# Allegro board 20173009_BALENA-FIN_V10.brd (continued)
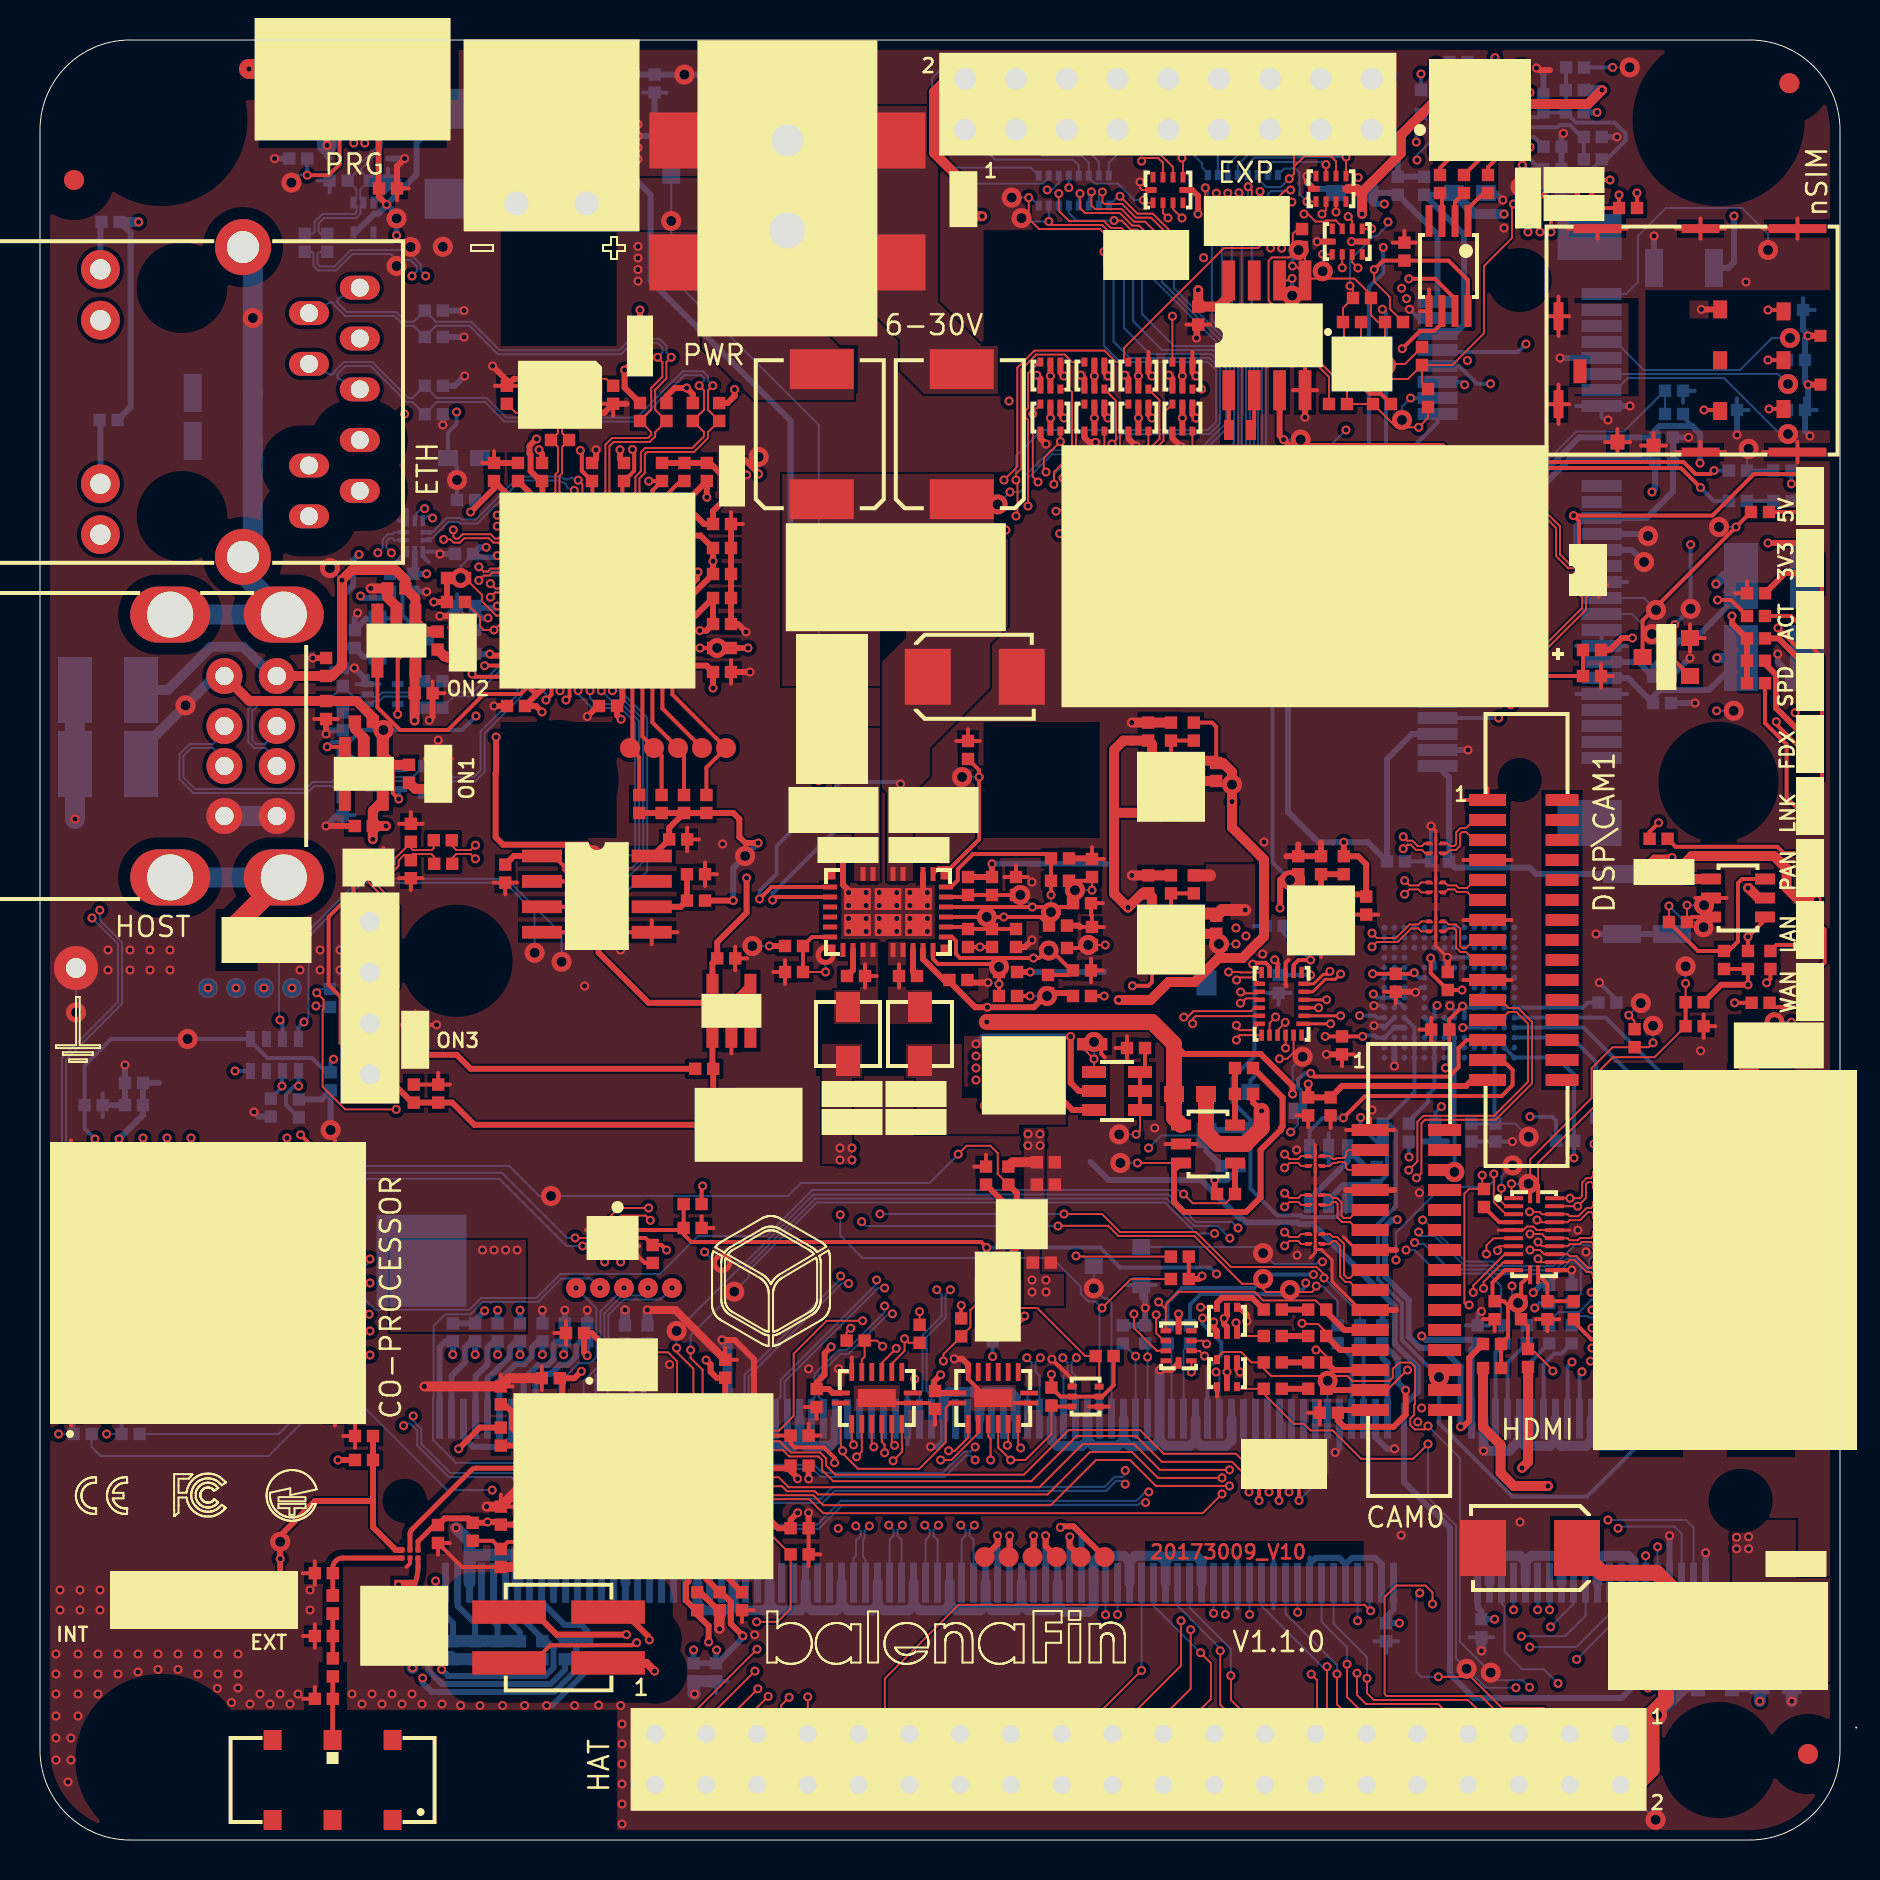
[diagram p0: board, top side]
## Routing (per net, layer and track width the routed paths; a pad name or vN(x,y) marks a point on that pad's centre or on a via; arc(x,y) is an arc through that point) (continued)
MCU-GPIO4_EXT: length 14.3
  TOP w0.1: v1(63.2,81.3) 63.4,81.3 63.78,80.93 64.26,80.93 64.31,80.97 64.8,80.97 65.11,80.66 TVS7.3
  INT2 w0.1: v1(63.2,81.3) 62.66,81.3 61.5,82.46 61.5,83.1 60.4,84.2 57.74,84.2 J14.9
  BOTTOM w0.1: J14.9 58.11,83.83 58.11,83.62 58.39,83.34 RR2.9
MCU-GPIO5: length 119.3
  TOP w0.1: v1(51.15,68.1) 51.15,68.55 51.8,69.2 51.8,71.6 52,71.8 52.22,71.8 ; RR3.2 v1(59.09,81.08)
  TOP w0.2: MOD2.11 13.55,23.63 v1(13.38,23.8)
  INT2 w0.1: v1(13.38,23.8) 13.38,15.53 14.01,14.9 22.74,14.9 25.25,17.41 25.25,20.61 27.54,22.9 35.64,22.9 36.1,23.36 36.1,32.1 37.1,33.1 37.1,53.63 49.83,66.36 49.83,66.9 50.33,67.41 50.85,67.41 51.07,67.63 51.07,67.64 51.14,67.72 51.14,68.1 v1(51.15,68.1)
  BOTTOM w0.1: v2(13.38,22.9) v1(13.38,23.8) ; v1(51.15,68.1) 51.55,67.7 52,67.7 52.33,68.03 52.87,68.03 53.95,66.95 58.21,66.95 60.7,69.44 60.7,74.15 59.09,75.76 v1(59.09,81.08)
MCU-GPIO5_EXT: length 14.9
  TOP w0.1: TVS7.8 65.61,78.89 v1(65.9,78.6)
  INT1 w0.1: J14.11 59.28,85.52 61.6,83.2 61.6,80.6 64.1,78.1 65.4,78.1 v1(65.9,78.6)
  BOTTOM w0.1: RR2.10 58.89,84.22 58.96,84.29 J14.11
MCU-GPIO6: length 131.8
  TOP w0.1: MOD2.27 v1(6.35,35.1) ; DS10.3 v1(51.02,69.92) 50.19,69.09 50.19,68.51 v1(50.3,68.4) ; RR3.3 v1(59.59,80.8)
  INT1 w0.1: v1(50.3,68.4) 50.3,66.41 50.64,66.06 52.76,66.06 53.65,66.95 54.86,66.95 55.23,66.58 v1(55.8,66.58)
  INT2 w0.1: v1(6.35,35.1) 5.95,35.1 5.85,35.2 5.85,40.03 5.11,40.77 5.11,45.84 1.13,49.82 1.13,71.15 4.08,74.1 8.61,74.1 15.31,80.8 19.39,80.8 22.33,77.86 22.33,75.05 22.93,74.45 28.93,74.45 29.98,75.5 36.53,75.5 37.98,74.05 47.27,74.05 49.2,72.12 49.2,71.21 49.68,70.72 50.22,70.72 v1(51.02,69.92)
  BOTTOM w0.1: v1(6.35,35.1) v2(6.35,34.25) ; v1(55.8,66.58) 58.12,66.58 60.9,69.35 60.9,74.23 59.59,75.54 v1(59.59,80.8)
MCU-GPIO6_EXT: length 13.1
  TOP w0.1: TVS7.7 v1(65.11,78.61)
  INT1 w0.1: J14.13 61.8,85.22 61.8,80.8 63.99,78.61 v1(65.11,78.61)
  BOTTOM w0.1: RR2.11 59.39,83.75 61.16,85.52 J14.13
MCU-GPIO7: length 132.5
  TOP w0.1: v1(49.9,67.9) 49.64,68.16 v1(49.64,71.3) 49.64,71.41 50.02,71.8 ; RR3.4 v1(60.09,81.09) ; MOD2.28 v1(5.15,35.1)
  INT1 w0.1: v1(49.9,67.9) 49.9,66.53 50.56,65.86 52.85,65.86 53.56,66.58 v1(54.7,66.58)
  INT2 w0.1: v1(5.15,35.1) 5.55,35.1 5.65,35.2 5.65,39.95 4.91,40.69 4.91,45.62 0.93,49.6 0.93,71.23 4,74.3 8.53,74.3 15.23,81 19.48,81 22.53,77.94 22.53,75.13 23.01,74.65 28.85,74.65 29.9,75.7 36.62,75.7 38.07,74.25 47.35,74.25 49.4,72.2 49.4,71.54 v1(49.64,71.3)
  BOTTOM w0.1: v1(5.15,35.1) v2(5.15,34.25) ; v1(60.09,81.09) 60.09,75.32 61.1,74.31 61.1,69.27 58.03,66.2 55.08,66.2 v1(54.7,66.58)
MCU-GPIO7_EXT: length 15.1
  TOP w0.1: TVS7.6 64.14,79.28 v1(64.13,79.29)
  INT1 w0.1: v1(64.13,79.29) 63.71,79.29 62,81 62,83.8 63.72,85.52 J14.15
  BOTTOM w0.1: RR2.12 59.89,83.75 60.46,84.32 62.84,84.32 J14.15 ; v2(64.13,78.44) v1(64.13,79.29)
MCU-GPIO8: length 141.6
  TOP w0.1: RR3.7 61.59,79.66 v1(61.53,79.6) ; DS25.3 v1(58.08,72.55)
  INT3 w0.1: v1(61.53,79.6) 58.73,76.8 58.73,73.2 v1(58.08,72.55) 46.6,72.55 42.33,76.82 42.33,86.02 41.25,87.1 25.71,87.1 19.81,81.2 15.11,81.2 8.41,74.5 3.91,74.5 0.75,71.34 0.75,49.56 4.03,46.28 4.03,42.42 3.43,41.82 3.43,34.18 5.83,31.78 5.83,22.8 v1(3.33,20.3)
  BOTTOM w0.1: R314.1 v1(3.33,20.3)
  BOTTOM w0.2: R313.2 R314.1
MCU-GPIO8_EXT: length 9.2
  TOP w0.1: TVS18.3 v1(64.3,83.77)
  INT3 w0.1: J14.16 65.24,86.86 65.24,84.71 v1(64.3,83.77)
  BOTTOM w0.1: RR2.15 61.39,83.66 61.63,83.9 64.17,83.9 v1(64.3,83.77)
MCU-GPIO9: length 144.1
  TOP w0.1: v1(62.08,79.59) 62.09,79.6 RR3.8 ; 56.62,73.9 v1(56.62,76.19)
  INT3 w0.1: v1(62.08,79.59) 61.7,79.97 58.3,79.97 56.62,78.29 v1(56.62,76.19) 55.08,74.65 44.78,74.65 42.53,76.9 42.53,86.1 41.33,87.3 25.63,87.3 19.73,81.4 15.03,81.4 8.33,74.7 3.83,74.7 0.55,71.42 0.55,49.48 3.83,46.2 3.83,42.5 3.23,41.9 3.23,34.1 5.63,31.7 5.63,23.1 3.63,21.1 1.73,21.1 v1(0.93,20.3)
  BOTTOM w0.1: R315.2 v1(0.93,20.3)
  BOTTOM w0.2: R315.2 R312.2
MCU-GPIO9_EXT: length 10.8
  TOP w0.1: TVS18.6 v1(63.35,81.92)
  INT4 w0.1: v1(63.35,81.92) 63.35,82.12 64.73,83.5 64.73,84.11 65.38,84.76 65.38,86.86 J14.18
  BOTTOM w0.1: v1(63.35,81.92) 62.97,82.3 62.97,83.36 62.76,83.57 62.22,83.57 RR2.16
NRST: length 8.9
  BOTTOM w0.1: v1(31.6,27.6) 31.02,27.02 29.19,27.02 28.42,26.25 28.42,23.62 28.38,23.58 J2.172
PERST_MPCIE: length 1.6
  BOTTOM w0.2: U25.8 70.96,86.64 70.1,87.5 R250.2
PW_EN_LED: length 70.6
  TOP w0.2: Q13.1 81.73,58.97 v1(81.73,60.77) ; R273.1 v1(85.4,45.16) 86.25,46.01 Q16.1
  INT1 w0.2: v1(82.53,64.77) 82.55,64.77 87.54,69.76 87.54,76.77 84.21,80.1 83.06,80.1 79.36,83.8 74.7,83.8 74,84.5 74,86.17 75.38,87.55 75.38,88.64 74.8,89.22 72.85,89.22 v1(72.75,89.12)
  INT2 w0.2: v1(85.4,45.16) 81.73,45.16 79.63,47.26 79.63,56.23 81.73,58.34 v1(81.73,60.77)
  BOTTOM w0.2: v1(81.73,60.77) v2(82.53,61.56) v1(82.53,64.77) ; v1(72.75,89.12) 72.41,88.78 U25.10
PW_ON_3V3: length 48.3
  TOP w0.1: v1(45.91,34.29) 46.33,34.71 47.52,34.71 47.89,34.34 47.89,33.3 R180.1 ; MOD2.26 v1(7.55,35.1)
  TOP w0.3: R180.1 48.84,32.35 U20.3
  BOTTOM w0.1: v1(45.91,34.29) 44.47,32.85 38.05,32.85 37.4,32.2 v2(25.55,32.2) 24.96,32.2 23.46,33.7 7.68,33.7 7.55,33.83 v1(7.55,35.1)
PW_ON_5V: length 53.3
  TOP w0.1: R274.1 59.29,31.84 57.64,31.84 v1(57.17,32.3) ; MOD2.17 v1(16.5,29.05)
  TOP w0.3: Q17.1 R274.1
  BOTTOM w0.1: v1(57.17,32.3) 57.13,32.3 56.93,32.5 38.62,32.5 36.32,30.2 32.9,30.2 31,28.3 26.02,28.3 24.82,27.1 22.06,27.1 21.47,26.51 16.77,26.51 16.12,27.15 16.12,28.57 16.5,28.94 v1(16.5,29.05) v2(15.28,29.05)
RF_OUT_50OHM: length 8
  TOP w0.25: MOD1.N4 21.79,18.59 arc(21.67,18.57) 21.57,18.5 18.59,15.52 arc(18.52,15.42) 18.5,15.3 U26.5
RST_MCU: length 161.5
  TOP w0.2: MOD2.30 v1(2.75,35.05)
  INT1 w0.1: v1(48.45,71.95) 48.45,73.35 49.3,74.2 55,74.2 55.07,74.27 59.33,74.27 61.6,72 66.3,72 68.88,74.58 68.88,78.7 68.48,79.1 66.8,79.1 66.2,79.7 66.2,80.8 66.6,81.2 66.6,82.8 68.1,84.3 68.1,86.3 69.8,88 v1(69.8,88.8)
  INT2 w0.1: v1(14.68,39.04) 14.68,42.05 13.72,43.01 6.39,43.01 6,43.4 6,45.23 1.33,49.9 1.33,71.06 4.17,73.9 8.7,73.9 15.4,80.6 19.31,80.6 22.13,77.78 22.13,74.96 22.84,74.25 29.02,74.25 30.07,75.3 36.45,75.3 37.9,73.85 46.55,73.85 v1(48.45,71.95)
  BOTTOM w0.2: v1(69.8,88.8) 69.9,88.9 R311.1 ; v1(14.68,39.04) 14.53,38.9 R118.1 14.32,38.38 13.6,39.1 11.37,39.1 10.53,39.94 RR4.5 v2(7.38,40.05) 3.55,40.05 2.23,38.73 C91.1 2.23,35.57 v1(2.75,35.05)
SEL_CAM_DIS: length 95.3
  TOP w0.1: U32.1 40.04,19.55 v1(40.13,19.46) 40.13,19.33 40.9,18.56 43.96,18.56 45.28,19.88 45.28,21.6 45.53,21.85 U33.1
  TOP w0.2: U31.11 61.48,43.66 61.28,43.86 60.7,43.86 v1(60.64,43.79)
  INT4 w0.1: v1(40.13,19.46) 40.13,23.23 42.48,25.58 46.41,25.58 53.63,32.8 53.63,33.36 54.87,34.6 v1(55.43,34.6) ; v1(83.83,56.46) 83.83,57.56 82.93,58.46 71.63,58.46 61.13,47.96 61.13,44.96 60.64,44.47 v1(60.64,43.79)
  BOTTOM w0.1: DSW2.2 56.06,35.23 v1(55.43,34.6) ; v2(84.68,56.46) v1(83.83,56.46)
  BOTTOM w0.2: v1(60.64,43.79) 60.73,43.7 60.73,39.2 59.63,38.1 59.63,36.9 60.53,36 Q21.1 60.53,32.56 61.86,31.23 63.04,31.23 63.12,31.15 64.79,31.15 65.38,31.74 Q20.1
  BOTTOM w0.3: Q21.1 58.6,35.5 DSW2.2 58.33,34.45 R317.2
SEL_SWD: length 40
  TOP w0.2: R298.2 32.18,30.29 32.57,29.9 47.05,29.9 v1(47.33,29.62) ; R298.2 R297.1 ; R298.2 32.08,30.5 U29.10
  INT1 w0.2: v1(58.83,28.3) 58.83,26.8 v1(58.13,26.1)
  BOTTOM w0.2: v1(58.83,28.3) 58.5,28.62 54,28.62 53,29.62 v1(47.33,29.62) ; J2.72 58.38,21.07 58.38,23.58 59.06,24.27 59.06,24.87 58.13,25.8 v1(58.13,26.1)
SPI-MCU_MISO: length 98.5
  TOP w0.1: DS28.6 51.45,72.55 51.6,72.4 51.6,69.3 50.7,68.4 50.7,67.79 v1(50.69,67.79) ; v1(54.66,79.08) 55.06,78.68 RR13.4 ; v1(16.46,26.29) 16.48,26.29 16.12,26.65 MOD2.15
  INT2 w0.1: v1(16.46,26.29) 16.86,26.29 17.5,25.65 30.78,25.65 33.9,28.77 33.9,40.33 32.5,41.73 32.5,50.87 48.71,67.08 49.71,67.08 50.25,67.61 50.52,67.61 v1(50.69,67.79)
  BOTTOM w0.1: v1(16.46,26.29) 16.09,26.66 v2(15.28,26.66) ; v1(50.69,67.79) 50.69,68.29 51.48,69.09 57.83,69.09 59.5,70.75 59.5,73.65 58.65,74.5 56.1,74.5 54.66,75.94 v1(54.66,79.08)
SPI-MCU_MISO_EXT: length 16.8
  TOP w0.1: v1(57.1,81.1) 56.65,81.55 TVS6.8
  INT1 w0.1: v1(51.44,82.62) 51.44,83 51.54,83.1 53.62,83.1 54.38,82.34 54.38,81.93 55.6,80.7 56.7,80.7 v1(57.1,81.1) 57.7,81.7 57.7,86.78 J14.10
  BOTTOM w0.1: RR14.12 v1(51.44,82.62)
SPI-MCU_MOSI: length 101.3
  TOP w0.1: MOD2.14 v1(16.5,25.45) ; RR13.3 54.56,78.61 54.36,78.81 54.36,78.81 54.2,78.97 v1(54.2,79.4) ; v1(49.4,66.7) 49.4,71.01 49.27,71.14 49.27,71.46 49.4,71.59 49.4,73.33 49.96,73.9 50.02,73.9
  INT2 w0.1: v1(49.4,66.7) 48.62,66.7 32.7,50.78 32.7,41.82 34.1,40.42 34.1,28.68 30.87,25.45 v1(16.5,25.45)
  BOTTOM w0.1: v1(54.2,79.4) 54.2,75.6 55.5,74.3 58.57,74.3 59.3,73.57 59.3,70.83 57.75,69.28 50.6,69.28 49.4,68.09 v1(49.4,66.7) ; v2(15.28,25.45) v1(16.5,25.45)
SPI-MCU_MOSI_EXT: length 13
  TOP w0.1: TVS6.3 56.15,83.86 55.91,84.1 55.18,84.1 55.08,84 v1(55.08,83.94)
  INT1 w0.1: v1(55.08,83.94) 55.08,86.86 J14.8
  INT2 w0.1: v1(55.08,83.94) 54.92,83.94 54.88,83.9 51.8,83.9 50.41,82.51 v1(50.36,82.51)
  BOTTOM w0.1: v1(50.36,82.51) 50.39,82.54 50.63,82.54 50.94,82.85 RR14.11
SPI-MCU_SCLK: length 94.8
  TOP w0.1: v1(53.67,79.08) 54.06,78.68 RR13.2 ; DS27.6 53.8,71.97 53.8,70 v1(53.6,69.8) ; MOD2.16 v1(16.5,27.85)
  INT2 w0.1: v1(48.5,67.4) 48.5,67.15 32.3,50.95 32.3,41.65 33.7,40.25 33.7,28.85 32.85,28 26.3,28 26.15,27.85 v1(16.5,27.85)
  BOTTOM w0.1: v2(47.88,66.78) v1(48.5,67.4) 49,67.4 49.17,67.58 49.17,68.14 50.52,69.48 53.28,69.48 v1(53.6,69.8) 54.1,70.3 58.48,70.3 59,70.82 59,73.58 58.48,74.1 54.5,74.1 53.67,74.93 v1(53.67,79.08)
SPI-MCU_SCLK_EXT: length 26.8
  TOP w0.1: J14.6 52.54,86.86 52.54,85.16 53.38,84.32 55.97,84.32 56.65,83.64 TVS6.2
  BOTTOM w0.1: J14.6 50.14,89.26 45.76,89.26 44.6,88.1 44.6,84.32 46.1,82.82 50.15,82.82 50.44,83.11 RR14.10
SPI_MCU_CS-CON: length 104.9
  TOP w0.1: MOD2.13 v1(16.5,24.25) ; RR13.1 53.5,78.5 53.2,78.8 v1(53.2,79.41) ; v1(48.8,66.2) 48.88,66.28 48.88,67.93 v1(48.8,68) 48.8,68.32 49.06,68.58 49.06,73.53 49.81,74.27 51.23,74.27 51.61,73.9 52.22,73.9
  INT2 w0.1: v1(48.8,66.2) 48.4,66.2 32.9,50.7 32.9,41.9 34.3,40.5 34.3,28.6 30.95,25.25 20.7,25.25 19.7,24.25 v1(16.5,24.25)
  BOTTOM w0.1: v2(15.28,24.25) v1(16.5,24.25) ; v1(48.8,68) 48.8,69.2 50.1,70.5 58.4,70.5 58.8,70.9 58.8,73.5 58.4,73.9 54,73.9 53.2,74.69 v1(53.2,79.41)
SPI_MCU_CS-CON_EXT: length 24.6
  TOP w0.1: TVS6.1 57.15,84.05 v1(57.1,84.1)
  INT1 w0.1: J14.4 50,86.86 50,85.16 51.59,83.57 53.51,83.57 53.51,83.57 56.57,83.57 v1(57.1,84.1)
  BOTTOM w0.1: J14.4 47.6,86.86 45.16,86.86 44.9,86.6 44.9,84.3 45.58,83.62 49.54,83.62 RR14.9
SW_I2C_SCL_ON: length 172.5
  TOP w0.1: v1(62.61,78.08) 62.51,77.98 U23.6 61.98,77.22 62.88,76.32 62.88,75 64.83,73.05 Q18.3 65.35,72.9 R284.1 R288.1 67.81,70.63 v1(68.94,70.63) 69.4,71.1 R287.2 ; MOD2.19 v1(13.3,31.45)
  TOP w0.2: v1(68.11,74.56) 69,75.45 69.71,75.45 70.1,75.84 U30.6
  INT1 w0.1: v1(62.61,78.08) 62.53,78 60.4,78 58.4,80 55.3,80 53.9,81.4 48.8,81.4 48.3,81.9 44.1,81.9 38.5,87.5 24.88,87.5 18.34,80.96 15.29,80.96 8.73,74.4 5.71,74.4 0.8,69.49 0.8,48.43 2.74,46.49 v1(2.99,46.49)
  INT2 w0.2: v1(68.11,74.56) 67.83,74.28 67.83,71.74 v1(68.94,70.63)
  BOTTOM w0.1: R315.1 2.58,19.65 3.03,19.2 11.43,19.2 14.33,22.1 14.33,30.42 v1(13.3,31.45) 13.3,31.05 13.2,30.95 6.53,30.95 4.38,33.1 2.18,33.1 1.3,33.98 1.3,39.02 4.1,41.82 4.1,44.88 2.99,45.99 v1(2.99,46.49)
  BOTTOM w0.2: v1(62.61,78.08) v2(62.61,77.22)
SW_I2C_SCL_ON_OFF: length 126.5
  TOP w0.1: R282.2 68.4,73.05 Q18.4 ; R282.2 69.1,72.85 R287.1 ; R282.2 70.61,73.75 72.2,75.34 72.2,78.7 73.6,80.1 73.6,81.7 73.67,81.78 v1(73.67,81.8)
  INT1 w0.1: v1(88.8,38.1) 80.33,38.1 77.98,40.45 74.46,40.45 71.7,43.2 69.2,43.2 68.9,42.9 65.55,42.9 65.35,42.7 63.95,42.7 63.36,42.11 63.36,39.33 61.83,37.8 61.83,36.7 64.1,34.43 64.1,29.7 63.29,28.89 v1(63.29,27.85)
  INT2 w0.1: 74.2,82.8 74.2,82.32 v1(73.67,81.8) ; 74.2,82.8 77.6,79.4 77.6,76.35 82.1,71.85 82.1,71.1 84.1,69.1 87.7,69.1 89.2,67.6 89.2,38.5 v1(88.8,38.1) ; 74.2,82.8 73.5,83.5 73.5,87.29 v1(73.91,87.7)
  BOTTOM w0.2: R17.2 57.5,26.77 58.03,27.3 62.3,27.3 v2(62.5,27.5) 63.1,27.5 63.3,27.7 63.3,27.84 v1(63.29,27.85) ; v1(73.91,87.7) 73.9,87.7 73.59,87.39 U25.12
SW_I2C_SDA_ON: length 166.1
  TOP w0.1: 63.25,78.24 U23.5 63.35,78.08 65.72,78.08 66.55,77.25 R286.1 66.55,76.25 66.9,75.9 R289.2 67.25,74.8 Q18.6 ; 63.25,78.24 62.79,78.7 v1(62.62,78.7) ; 63.25,78.24 63.25,79.5 R285.2 ; MOD2.18 v1(13.3,30.25)
  TOP w0.2: v1(68.44,78.06) 69.75,78.06 70.75,77.06 U30.7
  INT1 w0.1: v1(2.6,46.1) 2.6,46.35 0.6,48.35 0.6,69.57 5.63,74.6 8.65,74.6 15.21,81.16 18.26,81.16 24.8,87.7 38.58,87.7 44.18,82.1 48.38,82.1 48.88,81.6 53.98,81.6 55.38,80.2 58.48,80.2 60.48,78.2 62.12,78.2 v1(62.62,78.7)
  INT1 w0.2: v1(62.62,78.7) 64.1,77.22 65.9,77.22 66.74,78.06 v1(68.44,78.06)
  BOTTOM w0.1: v1(2.6,46.1) 3.9,44.8 3.9,41.9 1.1,39.1 1.1,33.9 2.1,32.9 4.3,32.9 6.45,30.75 13.2,30.75 13.3,30.65 v1(13.3,30.25) 14.03,29.52 14.03,22.4 11.93,20.3 R314.2
  BOTTOM w0.2: v2(62.93,79.5) 62.62,79.19 v1(62.62,78.7)
SW_I2C_SDA_ON_OFF: length 129.4
  TOP w0.1: v1(65.5,77.7) 65.65,77.55 R286.2 65.15,76.6 R283.1 65.2,75.85 Q18.1
  INT1 w0.1: v1(74.5,87.38) 74.12,87.38 74.07,87.32 73.83,87.32 v1(67.4,80.9) ; v1(63.68,28.28) 63.68,28.99 64.3,29.62 64.3,34.51 62.03,36.78 62.03,37.72 63.56,39.24 63.56,42.03 64.03,42.5 65.43,42.5 65.63,42.7 67.93,42.7 70.39,40.25 77.9,40.25 80.24,37.9 88.4,37.9 88.59,37.71 v1(89.19,37.71)
  INT2 w0.1: v1(89.19,37.71) 89.4,37.92 89.4,67.68 87.78,69.3 84.18,69.3 82.3,71.18 82.3,71.94 77.8,76.44 77.8,79.5 73.7,83.6 73.7,86.57 v1(74.5,87.38)
  BOTTOM w0.1: v1(65.5,77.7) 65.5,79 66.69,80.19 66.82,80.19 67.4,80.77 v1(67.4,80.9)
  BOTTOM w0.2: R19.2 56.38,26.88 57.1,27.6 60.7,27.6 v2(61.16,28.06) 61.38,28.28 v1(63.68,28.28) ; v1(74.5,87.38) 74.16,87.03 U25.13
SWCLK_MCU: length 55.4
  TOP w0.2: v1(29.03,28.9) 28.83,29.1 U29.7 ; MOD2.21 13.55,34.74 v1(13.03,35.26)
  INT2 w0.2: v1(12,41) 11.68,40.67 11.68,36.62 v1(13.03,35.26) 13.03,34.3 11.98,33.25 11.98,29.78 13.15,28.6 27.23,28.6 27.95,29.33 28.61,29.33 v1(29.03,28.9)
  BOTTOM w0.1: v1(12,41) 11.95,41.05 11.95,43.98 16.03,48.06 23.33,48.06 26.08,45.31 v2(26.08,43.91)
  BOTTOM w0.2: RR4.7 12.13,40.87 v1(12,41)
SWDIO_MCU: length 54.4
  TOP w0.2: v1(28.23,28.9) 28.43,29.1 U29.6 ; MOD2.22 v1(12.35,35.1)
  INT2 w0.2: v1(28.23,28.9) 27.63,28.3 13.03,28.3 11.68,29.66 11.68,34.42 v1(12.35,35.1) 12.2,35.1 11.38,35.93 11.38,40.98 11.82,41.42 12.68,41.42 v1(13.2,40.9)
  BOTTOM w0.1: v1(13.2,40.9) 13.43,41.12 13.43,45.17 16.11,47.86 23.25,47.86 24.73,46.38 v2(24.73,44.36)
  BOTTOM w0.2: RR4.8 12.93,40.63 v1(13.2,40.9)
TR00: length 103.6
  TOP w0.2: v1(29.83,9.86) 29.73,9.86 29.6,9.74 25.51,9.74 24.62,8.85 J24.2
  INT4 w0.2: 38.43,70.9 31.12,70.9 30.41,71.6 26.14,71.6 25.67,72.08 23.9,72.08 20.55,68.72 18.51,68.72 17.24,70 J20.7 ; v1(29.83,9.86) 29.86,9.83 29.86,9.76 30.22,9.41 30.71,9.41 31.06,9.76 31.06,10.89 31.16,10.99
  INT4 w0.4: 38.43,70.9 40.13,69.2 40.13,59.1 32.03,51 32.03,37.76 37.83,31.96 37.83,25.4 36.7,24.27 36.7,19.58 36.16,19.03 36.16,15.99 31.16,10.99
TR01: length 101.2
  TOP w0.4: v1(30.73,8.44) 30.32,8.85 J24.1
  INT3 w0.2: 31.09,10.35 31.03,10.29 31.03,8.74 v1(30.73,8.44) ; 38.43,70.9 31.12,70.9 30.41,71.6 26.14,71.6 25.67,72.08 23.9,72.08 20.55,68.72 J20.8
  INT3 w0.4: 38.43,70.9 40.13,69.2 40.13,59.1 32.03,51 32.03,37.76 37.83,31.96 37.83,25.4 36.7,24.27 36.7,19.58 36.16,19.03 36.16,15.99 31.09,10.92 31.09,10.35
TR02: length 99.6
  TOP w0.3: J24.4 24.71,11.39 25.83,10.27 v1(29.32,10.27)
  INT3 w0.2: 37.93,70.36 31.09,70.36 30.3,71.15 26.03,71.15 25.5,71.68 24.16,71.68 20.81,68.33 17.16,68.33 16.29,67.45 J20.9
  INT3 w0.4: v1(29.32,10.27) 29.35,10.27 29.57,10.49 29.73,10.49 35.33,16.09 35.33,20.1 35.93,20.7 35.93,32.7 31.03,37.6 31.03,51.1 39.43,59.5 39.43,68.86 37.93,70.36
TR03: length 98.7
  TOP w0.3: J24.3 29.2,11.39 30.41,10.19 30.41,10.07 v1(30.46,10.01)
  INT4 w0.2: J20.10 15.53,66.18 16.55,66.18 18.56,68.19 18.56,68.19 18.7,68.33 20.81,68.33 24.16,71.68 25.5,71.68 25.74,71.44 26.03,71.15 30.3,71.15 31.09,70.36 37.93,70.36
  INT4 w0.4: 37.93,70.36 39.43,68.86 39.43,59.5 31.03,51.1 31.03,37.6 35.93,32.7 35.93,20.7 35.33,20.1 35.33,16.09 30.46,11.22 v1(30.46,10.01)
USB_DBG_D+: length 21.1
  INT2 w0.1: v1(19.28,78.2) 19.03,77.95 19.03,77.38 19.54,76.87 19.54,68.19 19.83,67.9 19.83,66.62 19.63,66.42 v1(19.63,66.1)
  BOTTOM w0.1: U13.5 19.39,66.2 19.53,66.2 v1(19.63,66.1) ; v1(19.28,78.2) 19.28,78.22 19.04,78.46 19.04,78.77 18.53,79.28 v2(18.53,79.65) 18.38,79.5 15.55,79.5 14.72,78.68 14,78.68 13.87,78.8 13.87,79.28 14,79.41 R115.1
USB_DBG_D-: length 21.3
  INT2 w0.1: v1(18.6,78.2) 18.83,77.97 18.83,77.3 19.34,76.79 19.34,68.11 19.63,67.82 19.63,66.7 19.5,66.56 v1(19.23,66.56)
  BOTTOM w0.1: R114.1 13.6,79.41 13.67,79.34 13.67,78.72 13.92,78.48 14.81,78.48 15.63,79.3 17.53,79.3 17.83,79 v2(17.83,78.7) 18.13,79 18.53,79 18.84,78.69 18.84,78.44 v1(18.6,78.2) ; v1(19.23,66.56) 19.16,66.5 18.99,66.5 18.83,66.34 18.83,66.05 U13.4
USB_DM: length 67.3
  INT1 w0.1: v1(18.18,20.72) 18.18,20.91 13.83,25.26 13.83,39.66 14.38,40.2 14.38,44.69 14.83,45.14 14.83,51.8 16.7,53.67 16.7,58.38 17.13,58.81 17.13,64.12 v1(16.89,64.36)
  BOTTOM w0.1: U13.2 17.71,65.39 17.61,65.29 17.39,65.29 17.13,65.03 17.13,64.6 v1(16.89,64.36) ; J2.167 29.88,14.95 30.1,15.17 30.1,17.39 29.9,17.59 24.12,17.59 23.56,18.15 20.44,18.15 18.86,19.73 18.86,20.47 18.51,20.83 18.29,20.83 v1(18.18,20.72)
USB_DP: length 66.9
  INT1 w0.1: v1(17.57,64.36) 17.33,64.12 17.33,58.73 16.9,58.3 16.9,53.59 15.03,51.72 15.03,45.06 14.58,44.61 14.58,40.12 14.03,39.58 14.03,25.34 18.17,21.2 v1(18.66,21.2)
  BOTTOM w0.1: v1(18.66,21.2) 18.66,20.95 19.06,20.55 19.06,19.81 20.53,18.35 23.64,18.35 24.21,17.79 29.99,17.79 30.3,17.47 30.3,15.19 30.48,15.01 J2.165 ; v1(17.57,64.36) 17.33,64.6 17.33,64.95 17.47,65.09 17.61,65.09 17.71,64.99 U13.1
USB_HOST1_CTRL: length 16.4
  TOP w0.2: v1(21.6,58.3) 21.74,58.16 U22.17 ; v1(14.36,54.66) U10.3
  TOP w0.5: U10.3 U10.4
  INT2 w0.2: v1(21.8,56.2) 21.8,58.1 v1(21.6,58.3)
  BOTTOM w0.2: v1(14.36,54.66) 14.6,54.9 15.46,54.9 16.06,55.5 v2(17.17,55.5) 21.1,55.5 v1(21.8,56.2)
USB_HOST1_D+: length 16.4
  TOP w0.1: v1(21.94,62.98) 22.18,63.22 22.47,63.22 22.62,63.37 22.92,63.37 23.07,63.22 U22.7
  BOTTOM w0.1: v1(21.94,62.98) 22.18,63.22 23.4,63.22 23.88,62.74 23.88,57.27 22.03,55.43 22.03,53.49 21.68,53.14 20.66,53.14 R91.1
USB_HOST1_D-: length 17.1
  TOP w0.1: v1(21.94,63.66) 22.18,63.42 22.38,63.42 22.53,63.57 22.92,63.57 23.07,63.72 U22.6
  BOTTOM w0.1: v1(21.94,63.66) 22.18,63.42 23.48,63.42 24.07,62.83 24.07,57.19 22.23,55.35 22.23,53.41 21.76,52.94 20.66,52.94 R92.1
USB_HOST2_CTRL: length 14.2
  TOP w0.2: U22.18 24.62,57.89 24.03,57.3 22.2,57.3 20.4,55.5 18,55.5 16.87,56.63 U12.4
  TOP w0.5: U12.3 U12.4
USB_HOST2_D+: length 9.4
  TOP w0.1: v1(22.52,62.14) 22.75,62.37 23.21,62.37 23.36,62.22 U22.9
  BOTTOM w0.1: R109.1 20.68,57.38 21.63,57.38 23.26,59.01 23.26,62.24 23.12,62.38 22.76,62.38 v1(22.52,62.14)
USB_HOST2_D-: length 10
  TOP w0.1: v1(22.52,62.82) 22.77,62.57 23.21,62.57 23.36,62.72 U22.8
  BOTTOM w0.1: R108.1 20.68,57.18 21.71,57.18 23.46,58.93 23.46,62.32 23.2,62.58 22.76,62.58 v1(22.52,62.82)
USB_HOST_INT_CTRL: length 32.2
  TOP w0.2: v1(22.23,58.71) 22.24,58.72 U22.16
  TOP w0.3: v1(22.8,55.15) 22.8,53.44 22.78,53.31 22.78,50.14 23.15,49.77 27.33,49.77 27.93,49.17 27.93,44.36 30.43,41.86 34.57,41.86 U28.4 U28.3
  INT1 w0.2: v1(22.8,55.15) 22.8,55.33 22.23,55.9 v1(22.23,58.71)
USB_HUB_D+: length 9.6
  TOP w0.1: U22.59 26.62,67.21 26.72,67.31 v1(26.72,67.48)
  BOTTOM w0.1: U13.7 19.42,65.1 19.62,65.1 20.42,65.9 20.93,65.9 21,65.83 21.88,65.83 24.03,67.98 25.89,67.98 26.27,67.83 26.37,67.61 v1(26.72,67.48)
USB_HUB_D-: length 10.3
  TOP w0.1: v1(26.91,67.99) 26.91,67.99 27.12,67.78 U22.58
  BOTTOM w0.1: v1(26.91,67.99) 26.57,68.12 26.34,68.02 25.93,68.18 23.94,68.18 21.79,66.03 21.09,66.03 21.01,66.1 20.34,66.1 19.54,65.3 19.4,65.3 U13.6
USB_INT+: length 22.8
  TOP w0.1: U22.4 23.07,64.72 22.92,64.87 22.67,64.87 22.45,65.09 21.21,65.09 20.99,64.87 20.68,64.87 20.52,65.03 v1(20.18,65.03) ; v1(21.77,49.74) 21.53,49.5 20.81,49.5 20.59,49.72 R296.1
  INT1 w0.1: v1(20.18,65.03) 20.52,65.03 20.7,64.85 20.7,52.71 22.53,50.88 22.53,49.64 22.39,49.5 22.01,49.5 v1(21.77,49.74)
USB_INT-: length 23.1
  TOP w0.1: v1(20.67,65.51) 20.67,65.17 20.77,65.07 20.91,65.07 21.13,65.29 22.53,65.29 22.75,65.07 22.92,65.07 23.07,65.22 U22.3 ; v1(21.77,49.06) 21.53,49.3 20.81,49.3 20.61,49.1 R295.1
  INT1 w0.1: v1(20.67,65.51) 20.67,65.17 20.9,64.93 20.9,52.79 22.73,50.96 22.73,49.56 22.47,49.3 22.01,49.3 v1(21.77,49.06)
USB_MPCIE_D+: length 76.8
  TOP w0.1: v1(22.86,65.69) 22.89,65.72 U22.2 ; v1(67.85,59.36) 68.09,59.6 75.38,59.6 77.3,61.52 77.3,62.12 77.45,62.27 TVS17.2 77.45,63.23 77.3,63.38 77.3,63.6 77.11,63.79 76.49,63.79 76,64.28 76,65.68 74.1,67.58 72.75,67.58 v1(72.51,67.82)
  INT1 w0.1: v1(22.86,65.69) 22.5,65.69 22.32,65.86 22.32,65.94 22.03,66.23 22.03,66.78 24.13,68.88 46.68,68.88 47,69.2 68.99,69.2 70.61,67.58 72.27,67.58 v1(72.51,67.82)
  BOTTOM w0.1: J19.38 69.18,59.3 68.88,59.6 68.09,59.6 v1(67.85,59.36)
USB_MPCIE_D-: length 75.3
  TOP w0.1: v1(72.51,67.14) 72.75,67.38 74.02,67.38 75.8,65.6 75.8,64.2 76.41,63.59 77.03,63.59 77.1,63.52 77.1,63.38 76.95,63.23 TVS17.1 76.95,62.27 77.1,62.12 77.1,61.6 75.3,59.8 68.09,59.8 v1(67.85,60.04) ; U22.1 22.88,66.22 v1(22.86,66.24)
  INT1 w0.1: v1(22.86,66.24) 22.49,66.24 22.47,66.22 22.33,66.22 22.23,66.32 22.23,66.7 24.21,68.68 46.76,68.68 47.08,69 68.91,69 70.53,67.38 72.27,67.38 v1(72.51,67.14)
  BOTTOM w0.1: J19.36 69.18,60.1 68.88,59.8 68.09,59.8 v1(67.85,60.04)
W-DISABLE_MPCIE: length 1.3
  BOTTOM w0.2: U25.7 70.11,86.14 R249.2
WIFI_BLE_PDN: length 146.5
  TOP w0.1: v1(35.83,10.91) 36.88,10.91 37.53,11.56 R218.2 36.37,15.44 33.77,15.44 MOD1.C8
  INT1 w0.1: v1(19.78,12.95) 19.78,15.11 22.17,17.5 v1(22.61,17.5) ; v1(63.3,67.7) 61.5,65.9 58,65.9 56.8,64.7 49.1,64.7 v1(48.3,65.5)
  INT2 w0.1: v1(22.61,17.5) 23.63,17.5 25.05,18.92 25.05,20.7 27.45,23.1 29.68,23.1 34.7,28.12 34.7,30.54 34.58,30.66 34.58,40.78 35.53,41.73 35.53,47.77 35.7,47.94 35.7,48.26 35.53,48.43 35.53,52.73 v1(48.3,65.5) ; v1(12.5,31.9) 12.5,32.87 14.3,34.67 14.3,41.2 v1(13.8,41.7)
  INT2 w0.2: v1(19.78,12.95) 20.36,12.37 34.12,12.37 35.58,10.91 v1(35.83,10.91)
  BOTTOM w0.1: v1(22.61,17.5) 20.35,17.5 14.63,23.22 14.63,31.96 14.18,32.41 v2(13.23,32.41) 13.01,32.41 v1(12.5,31.9) ; v1(13.8,41.7) 14.45,41.7 R293.2 ; v1(65.3,70.5) 63.3,68.5 v1(63.3,67.7)
WIFI_SDIO_CLK: length 39.6
  TOP w0.1: MOD1.A5 37.1,17.69 37.35,17.44 38.74,17.44 38.9,17.28 50.38,17.28 52.5,19.4 54.6,19.4 55.9,18.1 v1(59.1,18.1)
  TOP w0.2: RR15.6 v1(62.95,16.98)
  INT1 w0.1: v1(59.1,18.1) 59.1,18.66 59.76,19.32 61.87,19.32 62.95,18.24 v1(62.95,16.98)
  BOTTOM w0.1: v2(64.38,22.96) J2.52 64.38,18.41 v1(62.95,16.98)
WIFI_SDIO_CMD: length 35.4
  TOP w0.1: MOD1.B4 34.67,18.14 36.93,18.14 37.43,17.64 49.97,17.64 52.13,19.8 54.7,19.8 55.99,18.51 v1(59.47,18.51)
  TOP w0.2: RR15.5 v1(62.45,17.4)
  INT1 w0.1: v1(62.45,17.4) 61.34,18.51 v1(59.47,18.51)
  BOTTOM w0.1: J2.54 63.78,18.73 v1(62.45,17.4)
WIFI_SDIO_D0: length 35.9
  TOP w0.1: MOD1.B6 34.33,16.9 34.59,16.9 34.93,17.24 38.66,17.24 39.16,16.74 50.54,16.74 52.8,19 54.5,19 55.8,17.7 v1(59.47,17.7)
  TOP w0.2: RR15.4 v1(61.95,16.98)
  INT1 w0.1: v1(59.47,17.7) 59.84,18.07 61.31,18.07 61.95,17.43 v1(61.95,16.98)
  BOTTOM w0.1: J2.58 62.58,18.08 61.95,17.45 v1(61.95,16.98)
WIFI_SDIO_D1: length 32.3
  TOP w0.1: MOD1.A6 35.37,17.04 38.46,17.04 39.16,16.34 58.14,16.34 v1(59.1,17.3)
  TOP w0.2: RR15.3 v1(61.45,17.4)
  INT1 w0.1: v1(61.45,17.4) 60.99,17.86 60.16,17.86 59.6,17.3 v1(59.1,17.3)
  BOTTOM w0.1: J2.60 62.23,20.81 62.23,18.18 v1(61.45,17.4)
WIFI_SDIO_D2: length 35.1
  TOP w0.1: RR15.2 60.95,18.16 59.8,19.31 56.19,19.31 55,20.5 51.43,20.5 49.2,18.27 39.77,18.27 39.3,18.73 39.3,19.08 39,19.38 37.54,19.38 36.98,19.94 34.67,19.94 MOD1.B3
  TOP w0.2: v1(60.95,16.98) RR15.2
  BOTTOM w0.1: v1(60.95,16.98) 60.95,17.43 60.78,17.6 J2.64
WIFI_SDIO_D3: length 32.6
  TOP w0.1: MOD1.A3 37.14,19.49 37.45,19.18 38.92,19.18 39.1,19 39.1,18.5 39.66,17.94 49.57,17.94 51.83,20.2 54.8,20.2 56.09,18.91 59.6,18.91 60.45,18.06 RR15.1
  TOP w0.2: v1(60.45,17.4) RR15.1
  BOTTOM w0.1: v1(60.45,17.4) 60.5,17.45 60.5,19.63 60.18,19.95 J2.66
N16818805: length 2.1
  TOP w0.2: R35.1 R37.2 U2.5
N16819336: length 2.2
  TOP w0.2: R42.1 R46.2 U5.5
N16826548: length 18
  TOP w1: J13.11 11.83,86.75 J13.7 ; J13.11 J13.9 J13.8 J13.10 19.43,86.75 J13.6 ; J13.11 v1(10.45,88.55)
  BOTTOM w1: R117.2 C89.2 11.06,88.55 v1(10.45,88.55)
N16879463: length 15.6
  TOP w0.1: R2.1 v1(82.28,42.83) ; C3.1 80.73,39.14 78.65,39.14 77.98,38.47 77.98,36.93 74.91,33.86 U1.23
  TOP w0.2: C3.1 R2.1
  BOTTOM w0.1: v1(82.28,42.83) v2(82.28,43.68)
N16879564: length 12
  TOP w0.1: U1.24 74.5,34.03 77.58,37.1 77.58,38.59 78.63,39.64 R6.2 80.43,39.64 v1(80.65,39.86)
  BOTTOM w0.1: v1(80.65,39.86) v2(80.65,40.71)
N16879671: length 3.2
  TOP w0.2: J1.18 79.31,25.03 77.57,25.03 76.69,25.91 L1.2
